# Altium PCB SizeofMK66.PcbDoc
Units mil, origin at the board's own origin, x right, y up, seen from the top; angles counter-clockwise.
Board outline 6000 x 4000 mil, 2 copper layers (Top Layer, Bottom Layer); 1 components, 0 nets, 112 pads, 0 vias.
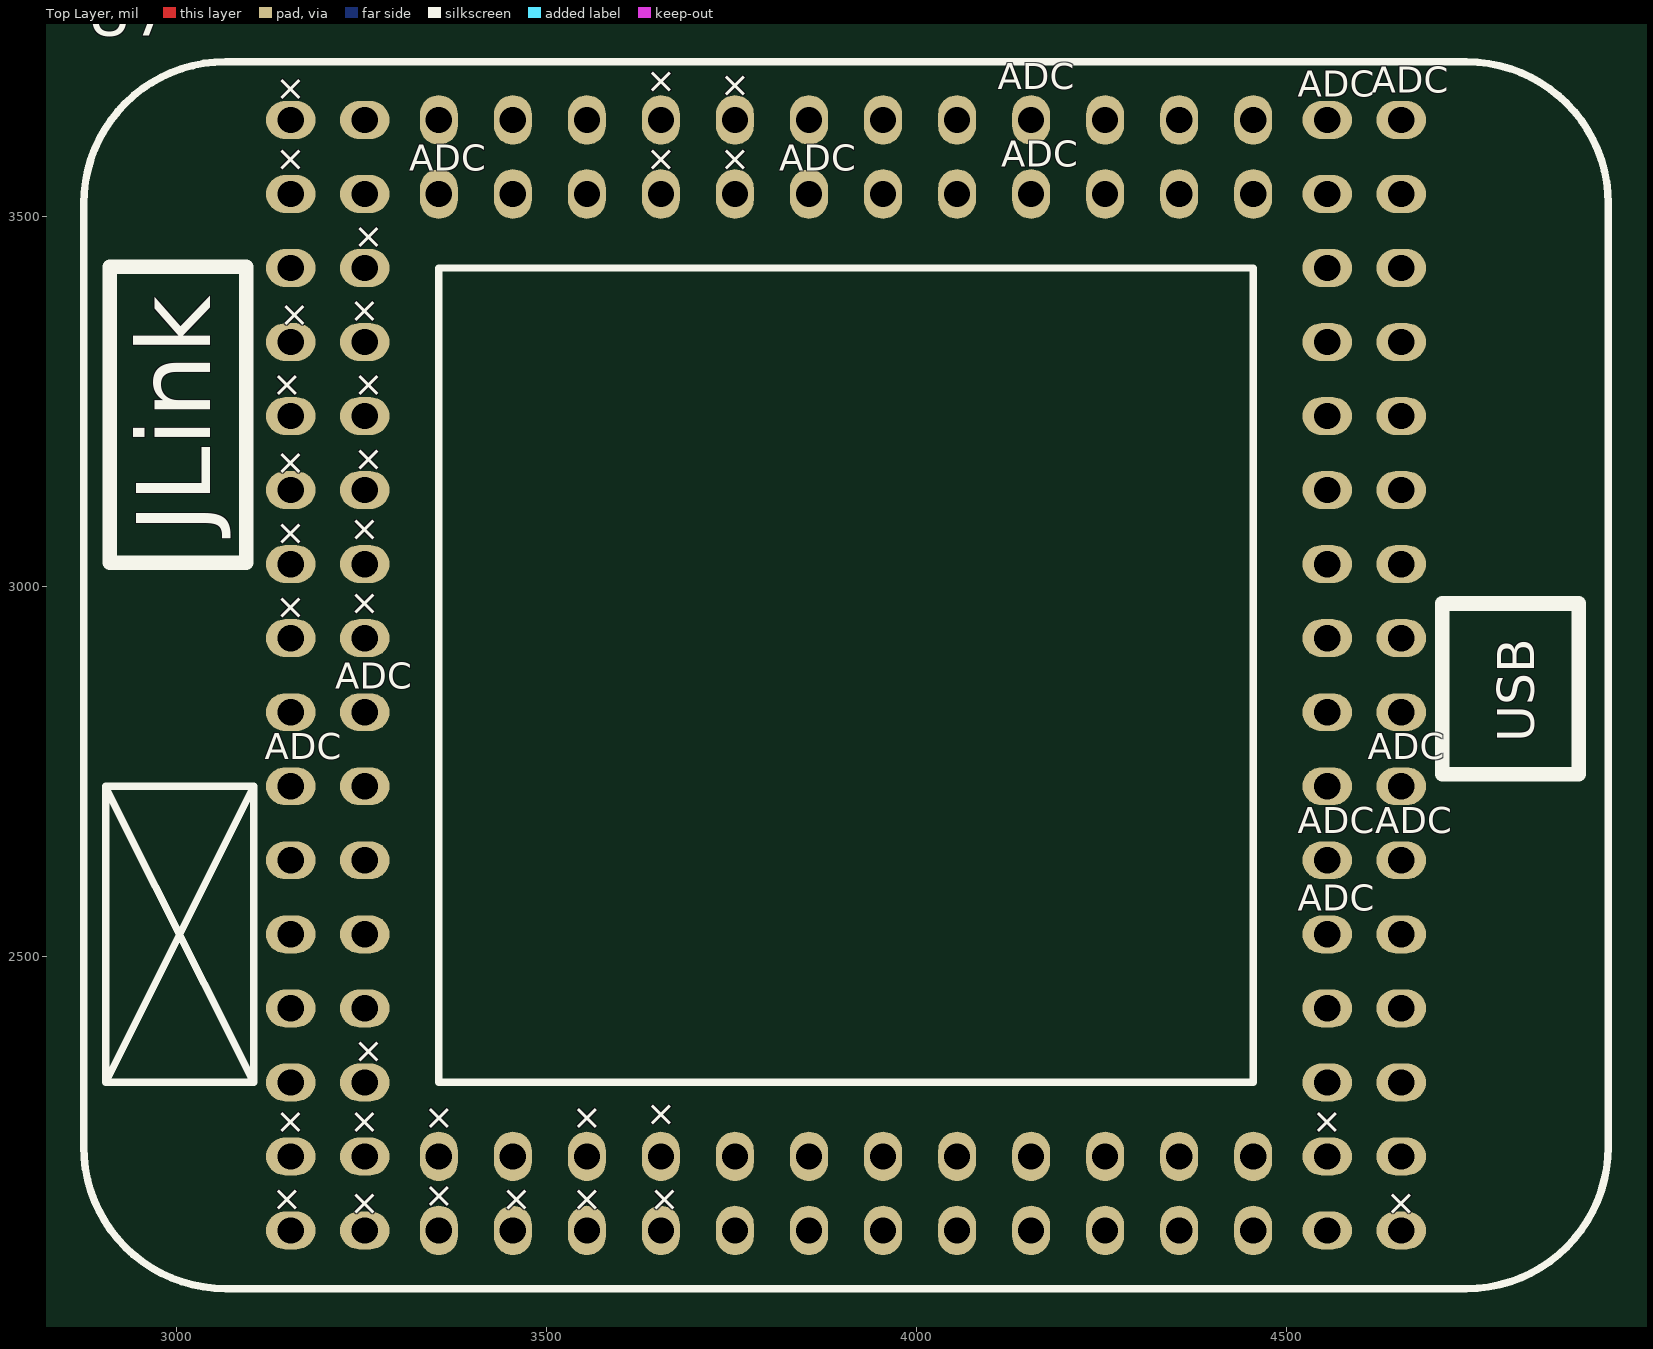
[diagram p0: Top Layer view]
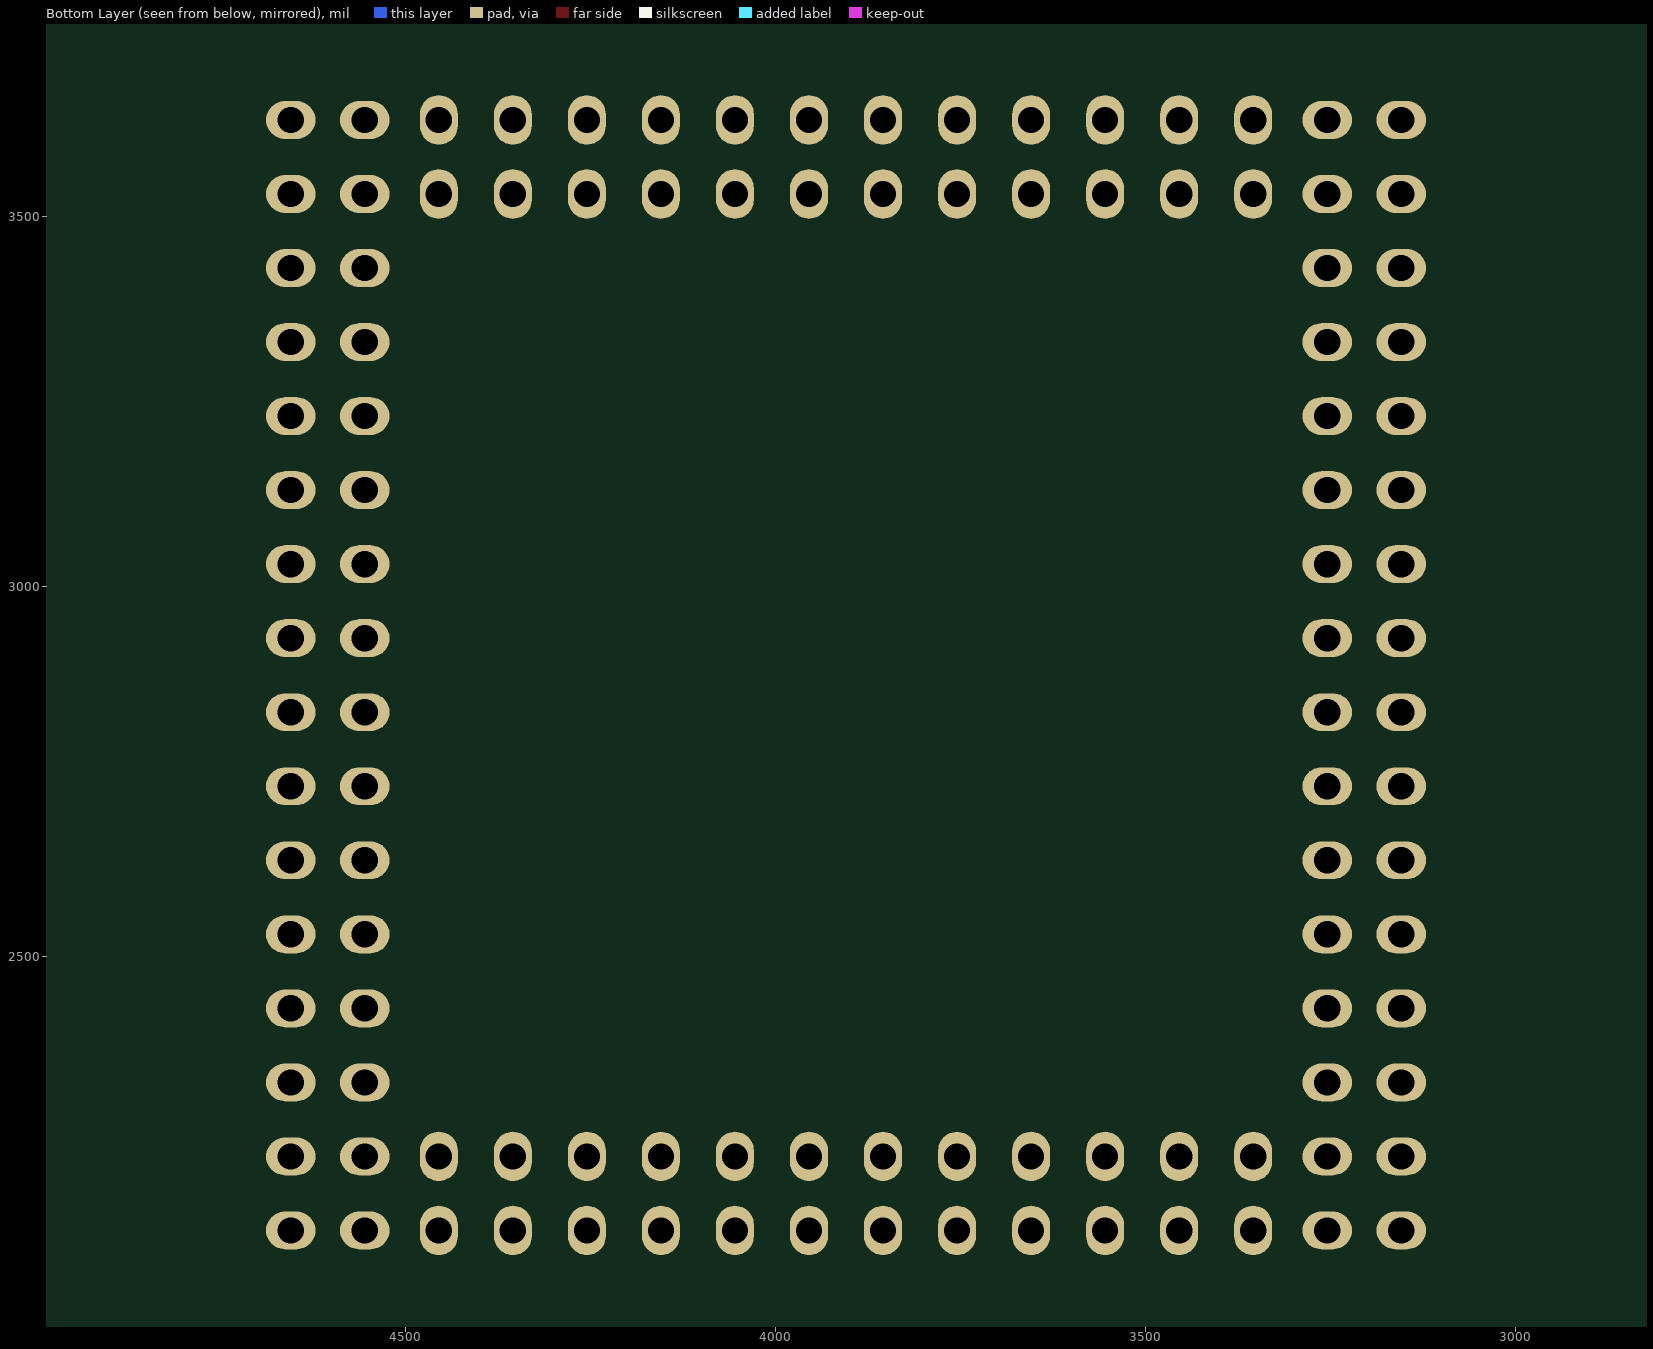
[diagram p1: Bottom Layer view, seen from below]

## Layer stack, top to bottom
Top Solder: solder mask 0.4, Solder Resist, Dk 3.5
Top Layer: signal copper 1.4
Dielectric 1: dielectric 12.6, FR-4, Dk 4.8
Bottom Layer: signal copper 1.4
Bottom Solder: solder mask 0.4, Solder Resist, Dk 3.5

## Board outline
1000,1000 7000,1000 7000,5000 1000,5000

## Design rules (kind name [scope] priority, off if disabled: settings)
Clearance [All] p1: gap=10
PolygonConnect [All] p1: connectstyle=Relief reliefconductorwidth=10 reliefentries=4 polygonreliefangle="90 Angle" airgapwidth=10
RoutingVias [All] p1: holewidth=28 width=50 viastyle="Through Hole" minholewidth=28 minwidth=50 maxholewidth=28 maxwidth=50
SolderMaskExpansion [All] p1: expansion=4
Width [All] p1: maxlimit=10 minlimit=10 preferedwidth=10
30 further rules are at their usual default settings.

## Components (designator, comment, footprint, x,y, rotation, side; value= is the part's Value field where it differs from the comment)
U7 "MK66CoreBoard" MK66_MCU 3155,2530 r90 top

## Footprints (in the part's own frame and the unit in brackets; to place one, negate y for a bottom-side part, rotate by r counter-clockwise, add the part's x,y. Pads: shape width x height; smd on the part's side, far side on the other; paste and mask are expansions set on the pad)
MK66_MCU [mm]
  oval 1.7x1.3 hole 0.9: 1(-10.16,-5.08) 2(-7.62,-5.08) 3(-10.16,-7.62) 4(-7.62,-7.62) 5(-10.16,-10.16) 6(-7.62,-10.16) 7(-10.16,-12.7) 8(-7.62,-12.7) 9(-10.16,-15.24) 10(-7.62,-15.24) 11(-10.16,-17.78) 12(-7.62,-17.78) 13(-10.16,-20.32) 14(-7.62,-20.32) 15(-10.16,-22.86) 16(-7.62,-22.86) 17(-10.16,-25.4) 18(-7.62,-25.4) 19(-10.16,-27.94) 20(-7.62,-27.94) 21(-10.16,-30.48) 22(-7.62,-30.48) 23(-10.16,-33.02) 24(-7.62,-33.02) 57(25.4,-5.08) 58(27.94,-5.08) 59(25.4,-7.62) 60(27.94,-7.62) 61(25.4,-10.16) 62(27.94,-10.16) 63(25.4,-12.7) 64(27.94,-12.7) 65(25.4,-15.24) 66(27.94,-15.24) 67(25.4,-17.78) 68(27.94,-17.78) 69(25.4,-20.32) 70(27.94,-20.32) 71(25.4,-22.86) 72(27.94,-22.86) 73(25.4,-25.4) 74(27.94,-25.4) 75(25.4,-27.94) 76(27.94,-27.94) 77(25.4,-30.48) 78(27.94,-30.48) 79(25.4,-33.02) 80(27.94,-33.02)
  oval 1.3x1.7 hole 0.9: 25(-10.16,-38.1) 26(-10.16,-35.56) 27(-7.62,-38.1) 28(-7.62,-35.56) 29(-5.08,-38.1) 30(-5.08,-35.56) 31(-2.54,-38.1) 32(-2.54,-35.56) 33(0,-38.1) 34(0,-35.56) 35(2.54,-38.1) 36(2.54,-35.56) 37(5.08,-38.1) 38(5.08,-35.56) 39(7.62,-38.1) 40(7.62,-35.56) 41(10.16,-38.1) 42(10.16,-35.56) 43(12.7,-38.1) 44(12.7,-35.56) 45(15.24,-38.1) 46(15.24,-35.56) 47(17.78,-38.1) 48(17.78,-35.56) 49(20.32,-38.1) 50(20.32,-35.56) 51(22.86,-38.1) 52(22.86,-35.56) 53(25.4,-38.1) 54(25.4,-35.56) 55(27.94,-38.1) 56(27.94,-35.56) 81(-10.16,-2.54) 82(-10.16,0) 83(-7.62,-2.54) 84(-7.62,0) 85(-5.08,-2.54) 86(-5.08,0) 87(-2.54,-2.54) 88(-2.54,0) 89(0,-2.54) 90(0,0) 91(2.54,-2.54) 92(2.54,0) 93(5.08,-2.54) 94(5.08,0) 95(7.62,-2.54) 96(7.62,0) 97(10.16,-2.54) 98(10.16,0) 99(12.7,-2.54) 100(12.7,0) 101(15.24,-2.54) 102(15.24,0) 103(17.78,-2.54) 104(17.78,0) 105(20.32,-2.54) 106(20.32,0) 107(22.86,-2.54) 108(22.86,0) 109(25.4,-2.54) 110(25.4,0) 111(27.94,-2.54) 112(27.94,0)
  silkscreen extent -12.16,-45.21 29.94,7.11

## Nets (pads, with @x,y where several pads share a name; then routed paths per layer and width w, separated by ;. In a path a pad name is that pad's centre, name@x,y a point inside that pad or via, vN(x,y) a via of type N, cw(c..) or ccw(c..) an arc to the next point about the centre after c; other vN are vias at no path point)
pads on no net: U7.1 U7.2 U7.3 U7.4 U7.5 U7.6 U7.7 U7.8 U7.9 U7.10 U7.11 U7.12 U7.13 U7.14 U7.15 U7.16 U7.17 U7.18 U7.19 U7.20 U7.21 U7.22 U7.23 U7.24 U7.25 U7.26 U7.27 U7.28 U7.29 U7.30 U7.31 U7.32 U7.33 U7.34 U7.35 U7.36 U7.37 U7.38 U7.39 U7.40 U7.41 U7.42 U7.43 U7.44 U7.45 U7.46 U7.47 U7.48 U7.49 U7.50 U7.51 U7.52 U7.53 U7.54 U7.55 U7.56 U7.57 U7.58 U7.59 U7.60 U7.61 U7.62 U7.63 U7.64 U7.65 U7.66 U7.67 U7.68 U7.69 U7.70 U7.71 U7.72 U7.73 U7.74 U7.75 U7.76 U7.77 U7.78 U7.79 U7.80 U7.81 U7.82 U7.83 U7.84 U7.85 U7.86 U7.87 U7.88 U7.89 U7.90 U7.91 U7.92 U7.93 U7.94 U7.95 U7.96 U7.97 U7.98 U7.99 U7.100 U7.101 U7.102 U7.103 U7.104 U7.105 U7.106 U7.107 U7.108 U7.109 U7.110 U7.111 U7.112

## Silkscreen, mask and mechanical layers (free items; w line width, h text height)
Top Overlay:
  text "ADC" at 4110,3660 h60
  text "×" at 3635,3655 h60
  text "ADC" at 4615,3655 h60
  text "×" at 3735,3650 h60
  text "ADC" at 4515,3650 h60
  text "×" at 3135,3645 h60
  text "ADC" at 4115,3555 h60
  text "×" at 3135,3550 h60
  text "ADC" at 3315,3550 h60
  text "×" at 3635,3550 h60
  text "×" at 3735,3550 h60
  text "ADC" at 3815,3550 h60
  text "×" at 3240,3445 h60
  text "×" at 3235,3345 h60
  text "×" at 3140,3340 h60
  text "×" at 3130,3245 h60
  text "×" at 3240,3245 h60
  text "×" at 3240,3145 h60
  text "×" at 3135,3140 h60
  text "×" at 3235,3050 h60
  text "×" at 3135,3045 h60
  text "×" at 3235,2950 h60
  text "×" at 3135,2945 h60
  text "ADC" at 3215,2850 h60
  text "ADC" at 3120,2755 h60
  text "ADC" at 4610,2755 h60
  text "ADC" at 4515,2655 h60
  text "ADC" at 4620,2655 h60
  text "ADC" at 4515,2550 h60
  text "×" at 3240,2345 h60
  text "×" at 3635,2260 h60
  text "×" at 3335,2255 h60
  text "×" at 3535,2255 h60
  text "×" at 3135,2250 h60
  text "×" at 3235,2250 h60
  text "×" at 4535,2250 h60
  text "×" at 3335,2150 h60
  text "×" at 3130,2145 h60
  text "×" at 3440,2145 h60
  text "×" at 3535,2145 h60
  text "×" at 3640,2145 h60
  text "×" at 3235,2140 h60
  text "×" at 4635,2140 h60

## Text inside footprints (layer, text, board x,y; h text height)
U7: Top Overlay "USB" at 4834.83,2789.23 h50 r90; Top Overlay "JLink" at 3046.02,3071.81 h100 r90